# Altium PCB 2-quilter-output.PcbDoc (part 17 of 26) (continued)
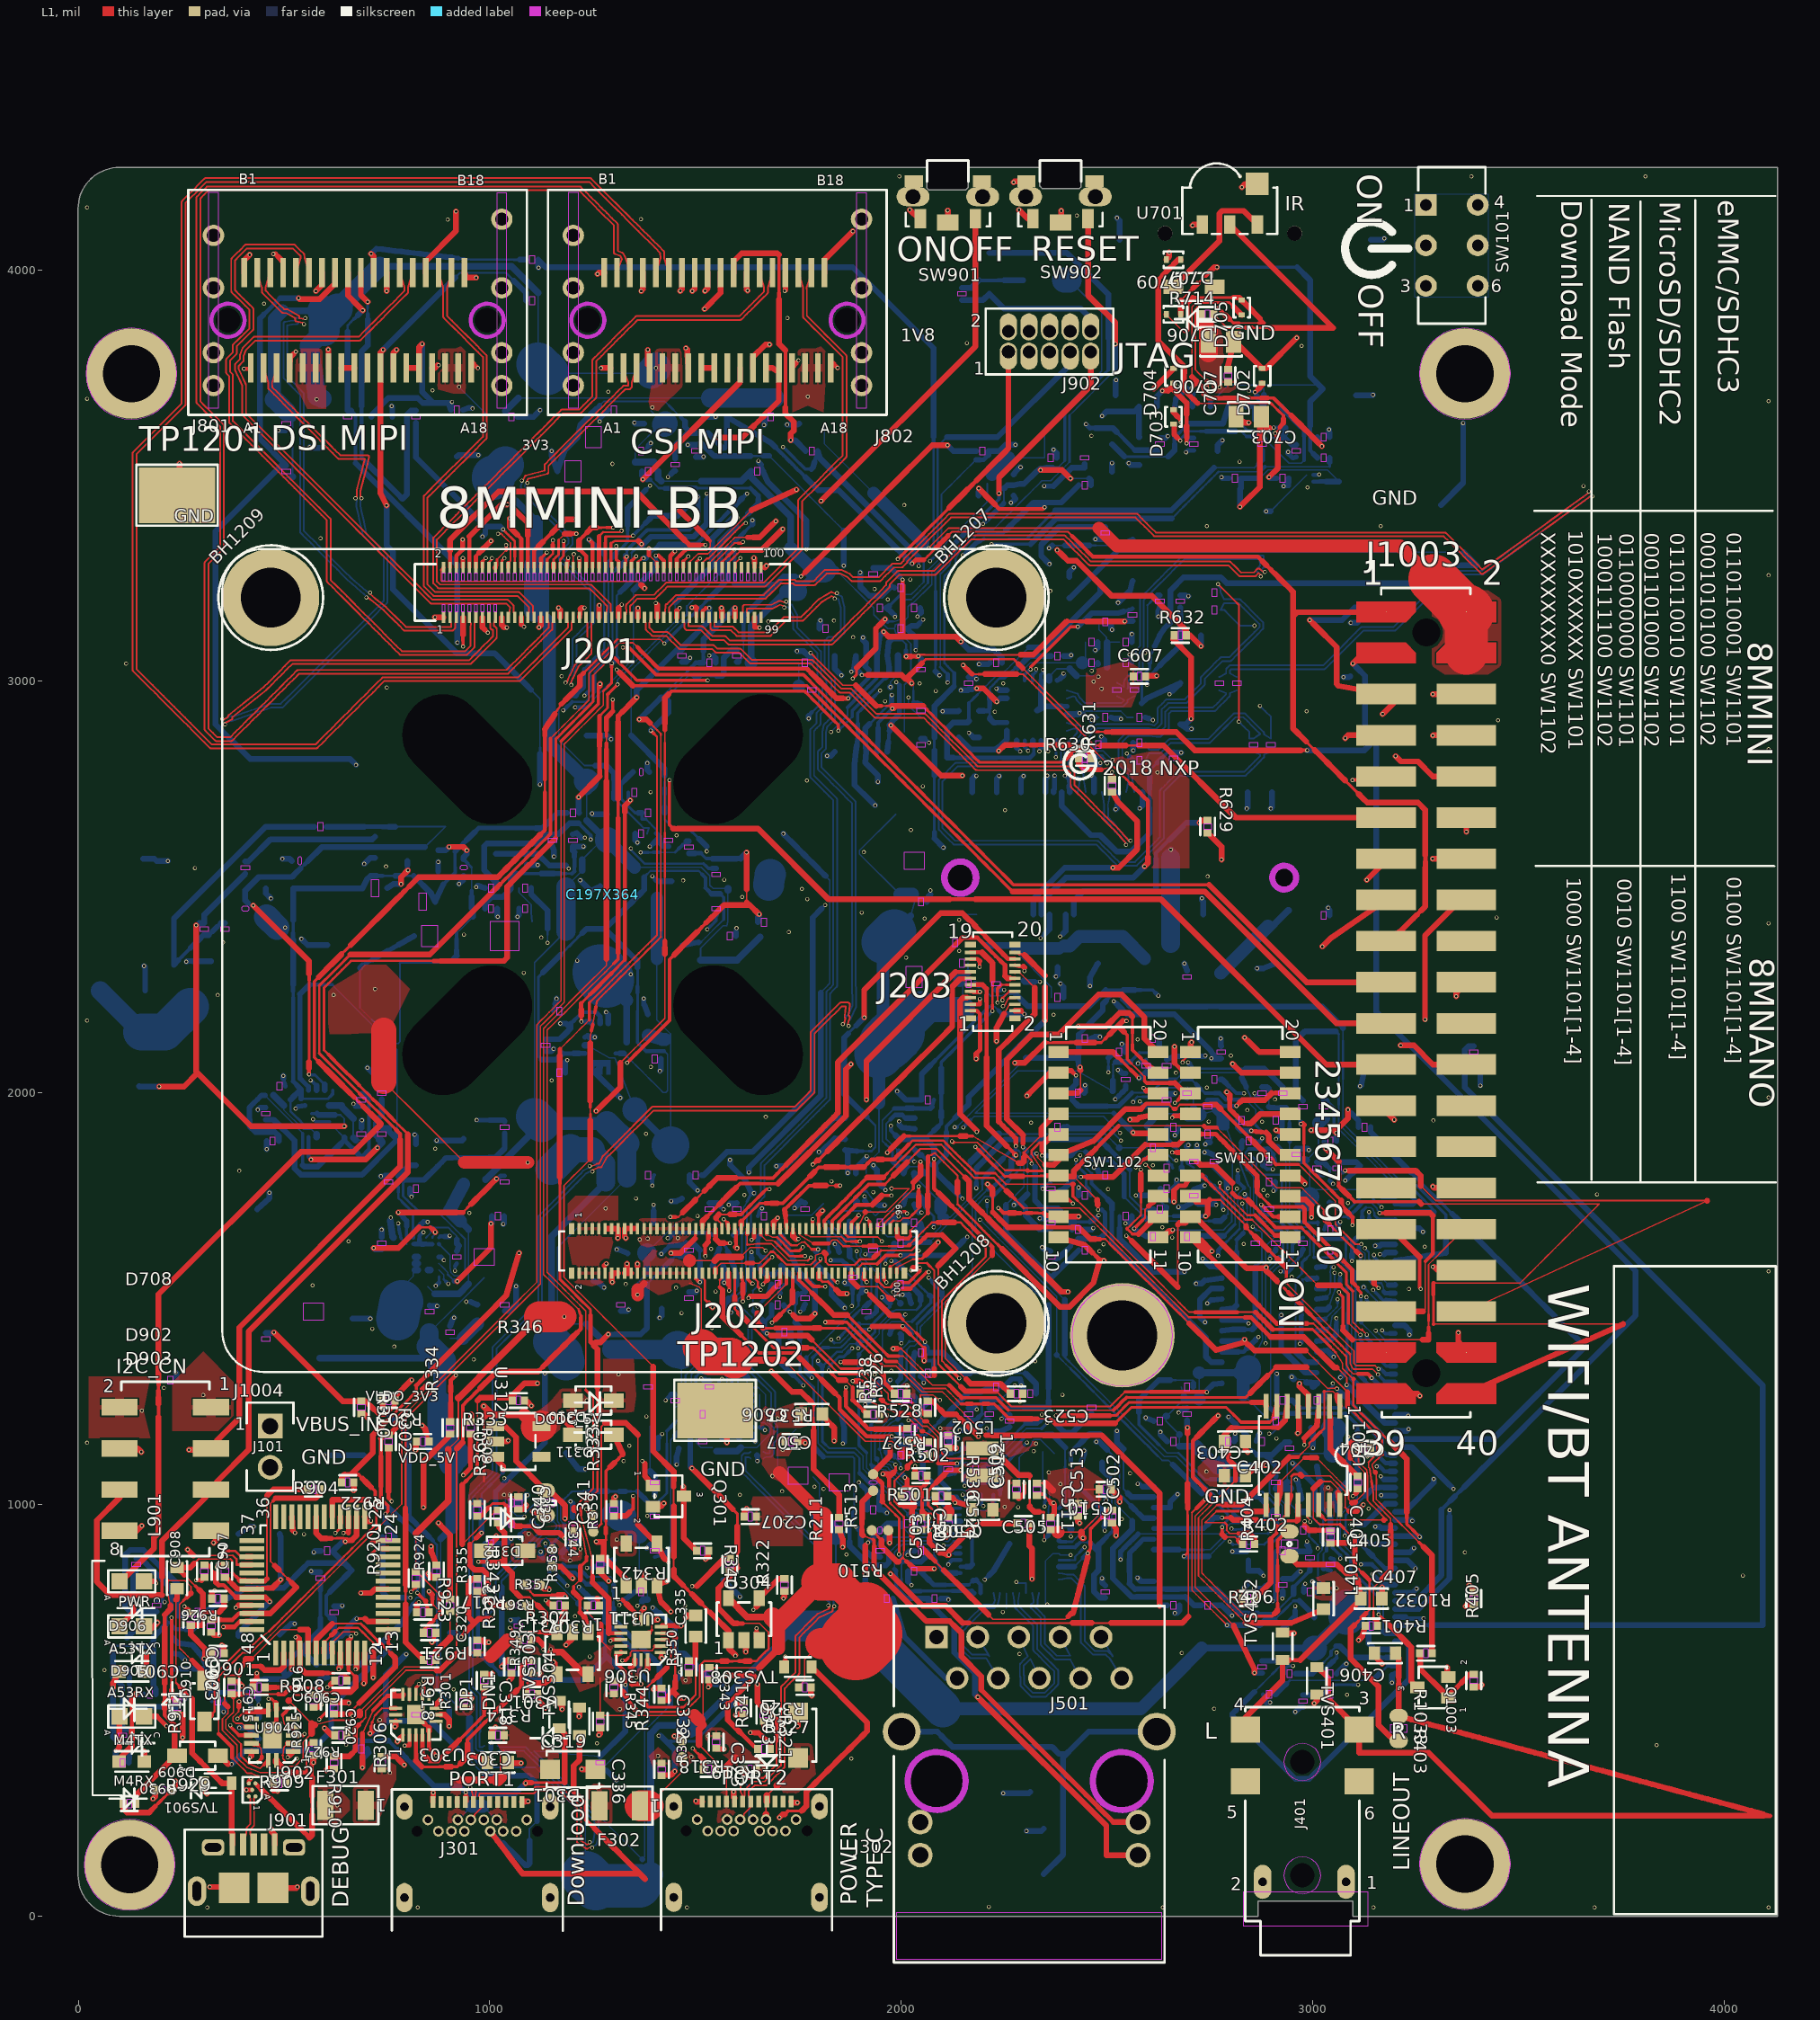
[diagram p0: L1 view]
## Nets (pads, with @x,y where several pads share a name; then routed paths per layer and width w, separated by ;. In a path a pad name is that pad's centre, name@x,y a point inside that pad or via, vN(x,y) a via of type N, cw(c..) or ccw(c..) an arc to the next point about the centre after c; other vN are vias at no path point) (continued)
  L8 w4.28: C616.1@2773.58,3010.13 2790.16,3019.13 2790.16,3028.13 2790.16,3028.24 2790.17,3028.36 2790.18,3028.48 2790.19,3028.6 2790.2,3028.72 2790.22,3028.84 2790.24,3028.97 2790.26,3029.09 2790.29,3029.2 2790.32,3029.32 2790.35,3029.44 2790.39,3029.56 2790.43,3029.67 2790.47,3029.79 2790.51,3029.9 2790.56,3030.01 2790.61,3030.12 2790.67,3030.23 2790.72,3030.34 2790.78,3030.45 2790.84,3030.55 2790.91,3030.65 2790.98,3030.76 2791.05,3030.86 2791.12,3030.95 2791.2,3031.05 2791.27,3031.14 2791.35,3031.23 2791.44,3031.32 2791.52,3031.41 2797.55,3037.44 2797.63,3037.52 2797.72,3037.6 2797.81,3037.68 2797.9,3037.76 2798,3037.84 2798.1,3037.91 2798.2,3037.98 2798.3,3038.05 2798.4,3038.11 2798.51,3038.17 2798.61,3038.23 2798.72,3038.29 2798.83,3038.35 2798.94,3038.4 2799.05,3038.45 2799.16,3038.49 2799.28,3038.53 2799.39,3038.57 2799.51,3038.61 2799.63,3038.64 2799.75,3038.67 2799.87,3038.7 2799.99,3038.72 2800.11,3038.74 2800.23,3038.76 2800.35,3038.78 2800.47,3038.79 2800.59,3038.79 2800.71,3038.8 2800.83,3038.8 2819.6,3038.8 2838.37,3038.8 2857.14,3038.8 2875.9,3038.8 2894.67,3038.8 2913.44,3038.8 2932.21,3038.8 2950.98,3038.8 2969.74,3038.8 2988.51,3038.8 3007.28,3038.8 3026.05,3038.8 3039.21,3051.97 3052.38,3065.14 3065.55,3078.3 3078.72,3091.47 3091.88,3104.64 3105.05,3117.8 3118.22,3130.97 3118.29,3131.05 3118.38,3131.13 3118.47,3131.21 3118.57,3131.29 3118.66,3131.36 3118.76,3131.44 3118.86,3131.51 3118.96,3131.58 3119.07,3131.64 3119.17,3131.7 3119.28,3131.76 3119.38,3131.82 3119.49,3131.87 3119.6,3131.93 3119.72,3131.97 3119.83,3132.02 3119.94,3132.06 3120.06,3132.1 3120.18,3132.14 3120.29,3132.17 3120.41,3132.2 3120.53,3132.23 3120.65,3132.25 3120.77,3132.27 3120.89,3132.29 3121.01,3132.31 3121.13,3132.32 3121.25,3132.32 3121.38,3132.33 3121.5,3132.33 3140.48,3132.33 3159.46,3132.33 3178.45,3132.33 3197.43,3132.33 3210.91,3145.81 3224.39,3159.29 3237.87,3172.77 3251.35,3186.25 3264.83,3199.73 3278.31,3213.21 3291.79,3226.69 3305.27,3240.17 3318.75,3253.65 3332.23,3267.13 3332.31,3267.21 3332.4,3267.29 3332.49,3267.37 3332.58,3267.45 3332.68,3267.52 3332.78,3267.6 3332.88,3267.67 3332.98,3267.74 3333.08,3267.8 3333.18,3267.86 3333.29,3267.92 3333.4,3267.98 3333.51,3268.03 3333.62,3268.09 3333.73,3268.13 3333.84,3268.18 3333.96,3268.22 3334.07,3268.26 3334.19,3268.3 3334.31,3268.33 3334.43,3268.36 3334.54,3268.39 3334.66,3268.41 3334.78,3268.43 3334.91,3268.45 3335.03,3268.46 3335.15,3268.48 3335.27,3268.48 3335.39,3268.49 3335.51,3268.49 3350.78,3268.49 3366.05,3268.49 3381.32,3268.49 3396.59,3268.49 3411.86,3268.49 3427.18,3279.68 3442.5,3290.87 3457.82,3302.05 3473.14,3313.24 3488.46,3324.43 3503.78,3335.62 3519.11,3346.8 3534.43,3357.99 3549.75,3369.18 3565.07,3380.37 3580.39,3391.55 3595.71,3402.74 3611.03,3413.93 3626.36,3425.12 3641.68,3436.3 3657,3447.49 3657.07,3447.56 3657.16,3447.64 3657.25,3447.72 3657.34,3447.8 3657.44,3447.88 3657.54,3447.95 3665.47,3453.71 3673.4,3459.47 v1(3671.77,3461.73)
PCIE_TX_P: C615.1 J201.71 | length 3562.9
  L1 w4.28: J201.71@1438.98,3155.16 1435.73,3168.91 1436.35,3179.88 1436.41,3179.93 1436.5,3180.01 1436.59,3180.09 1436.66,3180.17 1446.87,3190.38 1457.08,3200.58 1474.69,3200.58 1492.31,3200.58 1509.93,3200.58 1527.55,3200.58 1545.16,3200.58 1562.78,3200.58 1580.4,3200.58 1598.02,3200.58 1615.63,3200.58 1633.25,3200.58 1650.87,3200.58 1668.48,3200.58 1668.61,3200.58 1668.73,3200.59 1668.85,3200.6 1668.97,3200.61 1669.09,3200.62 1669.21,3200.64 1669.33,3200.66 1669.45,3200.68 1669.57,3200.71 1669.69,3200.74 1669.81,3200.77 1669.92,3200.81 1670.04,3200.85 1670.15,3200.89 1670.27,3200.94 1670.38,3200.99 1670.49,3201.04 1670.6,3201.09 1670.71,3201.15 1670.81,3201.21 1670.92,3201.27 1671.02,3201.34 1671.12,3201.4 1671.22,3201.48 1671.32,3201.55 1671.41,3201.62 1671.51,3201.7 1671.6,3201.78 1671.69,3201.87 1671.77,3201.94 1683.63,3213.81 1695.5,3225.68 1707.37,3237.55 1722.52,3237.55 1737.67,3237.55 1739.9,3235.32 1739.99,3235.24 1740.08,3235.15 1740.17,3235.07 1740.26,3234.99 1740.36,3234.92 1740.46,3234.85 1740.56,3234.78 1740.66,3234.71 1740.76,3234.64 1740.87,3234.58 1740.97,3234.52 1741.08,3234.46 1741.19,3234.41 1741.3,3234.36 1741.41,3234.31 1741.53,3234.27 1741.64,3234.22 1741.76,3234.19 1741.87,3234.15 1741.99,3234.12 1742.11,3234.09 1742.23,3234.06 1742.35,3234.04 1742.47,3234.02 1742.59,3234 1742.71,3233.99 1742.83,3233.97 1742.95,3233.97 1743.08,3233.96 1743.18,3233.96 1758.44,3233.96 1773.7,3233.96 1788.96,3233.96 1789.08,3233.96 1789.21,3233.97 1789.33,3233.98 1789.45,3233.99 1789.57,3234 1789.69,3234.02 1789.81,3234.04 1789.93,3234.06 1790.05,3234.09 1790.17,3234.12 1790.29,3234.15 1790.4,3234.19 1790.52,3234.23 1790.63,3234.27 1790.74,3234.32 1790.86,3234.37 1790.97,3234.42 1791.08,3234.47 1791.18,3234.53 1791.29,3234.59 1791.4,3234.65 1791.5,3234.72 1791.6,3234.78 1791.7,3234.85 1791.8,3234.93 1791.89,3235 1791.99,3235.08 1792.08,3235.16 1792.17,3235.25 1792.24,3235.32 1805.47,3248.55 1818.7,3261.78 1835.53,3261.78 1852.36,3261.78 1861.02,3257.6 1869.68,3253.42 1878.29,3244.81 1878.38,3244.72 1878.47,3244.64 1878.56,3244.56 1878.65,3244.48 1878.75,3244.41 1878.85,3244.33 1878.95,3244.26 1879.05,3244.19 1879.15,3244.13 1879.26,3244.07 1879.36,3244.01 1879.47,3243.95 1879.58,3243.9 1879.69,3243.85 1879.8,3243.8 1879.92,3243.75 1880.03,3243.71 1880.15,3243.67 1880.26,3243.64 1880.38,3243.6 1880.5,3243.57 1880.62,3243.55 1880.74,3243.52 1880.86,3243.5 1880.98,3243.49 1881.1,3243.47 1881.22,3243.46 1881.34,3243.45 1881.46,3243.45 1881.57,3243.45 1898.07,3243.45 1914.56,3243.45 1931.05,3243.45 1947.55,3243.45 1947.67,3243.45 1947.79,3243.45 1947.91,3243.46 1948.03,3243.47 1948.15,3243.49 1948.28,3243.51 1948.4,3243.53 1948.52,3243.55 1948.63,3243.58 1948.75,3243.61 1948.87,3243.64 1948.99,3243.68 1949.1,3243.72 1949.22,3243.76 1949.33,3243.8 1949.44,3243.85 1949.55,3243.9 1949.66,3243.96 1949.77,3244.01 1949.87,3244.07 1949.98,3244.14 1950.08,3244.2 1950.18,3244.27 1950.28,3244.34 1950.38,3244.41 1950.48,3244.49 1950.57,3244.57 1950.66,3244.65 1950.75,3244.73 1950.83,3244.81 1961.42,3255.4 1972.01,3265.99 1982.6,3276.58 2000.87,3276.58 2000.99,3276.59 2001.12,3276.59 2001.24,3276.6 2001.36,3276.61 2001.48,3276.62 2001.6,3276.64 2001.72,3276.66 2001.84,3276.69 2001.96,3276.71 2002.08,3276.74 2002.19,3276.78 2002.31,3276.81 2002.43,3276.85 2002.54,3276.89 2002.65,3276.94 2002.77,3276.99 2002.88,3277.04 2002.99,3277.09 2003.09,3277.15 2003.2,3277.21 2003.3,3277.27 2003.41,3277.34 2003.51,3277.41 2003.61,3277.48 2003.71,3277.55 2003.8,3277.63 2003.9,3277.7 2003.99,3277.78 2004.08,3277.87 2004.15,3277.94 2013.84,3287.63 2013.92,3287.71 2014,3287.8 2014.08,3287.89 2014.16,3287.99 2014.24,3288.08 2014.31,3288.18 2014.38,3288.28 2014.45,3288.38 2014.51,3288.49 2014.58,3288.59 2014.63,3288.7 2014.69,3288.81 2014.75,3288.92 2014.8,3289.03 2014.84,3289.14 2014.89,3289.25 2014.93,3289.37 2014.97,3289.48 2015.01,3289.6 2015.04,3289.72 2015.07,3289.83 2015.1,3289.95 2015.12,3290.07 2015.14,3290.19 2015.16,3290.31 2015.17,3290.43 2015.18,3290.56 2015.19,3290.68 2015.19,3290.8 2015.19,3290.91 2015.19,3291.8 2028.49,3305.1 2041.79,3318.4 2055.09,3331.69 2068.38,3344.99 2081.68,3358.29 2094.98,3371.59 2108.28,3384.88 2121.57,3398.18 2140.25,3398.18 2158.92,3398.18 2177.59,3398.18 2196.26,3398.18 2214.94,3398.18 2233.61,3398.18 2252.28,3398.18 2270.96,3398.18 2289.63,3398.18 2308.3,3398.18 2326.98,3398.18 2345.65,3398.18 2364.32,3398.18 2382.99,3398.18 2401.67,3398.18 2420.34,3398.18 2439.01,3398.18 2457.69,3398.18 2476.36,3398.18 2495.03,3398.18 2513.71,3398.18 2532.38,3398.18 2551.05,3398.18 2569.72,3398.18 2580.83,3387.07 2591.94,3375.96 2603.05,3364.86 2614.16,3353.75 2614.25,3353.66 2614.34,3353.58 2614.43,3353.5 2614.52,3353.42 2614.62,3353.35 2614.72,3353.27 2614.82,3353.2 2614.92,3353.13 2615.02,3353.07 2615.12,3353.01 2615.23,3352.95 2615.34,3352.89 2615.45,3352.84 2615.56,3352.79 2615.67,3352.74 2615.78,3352.69 2615.9,3352.65 2616.01,3352.61 2616.13,3352.58 2616.25,3352.54 2616.37,3352.51 2616.49,3352.49 2616.61,3352.46 2616.73,3352.44 2616.85,3352.43 2616.97,3352.41 2617.09,3352.4 2617.21,3352.39 2617.33,3352.39 2617.44,3352.39 2636.4,3352.39 2655.37,3352.39 2674.33,3352.39 2693.3,3352.39 2712.26,3352.39 2731.22,3352.39 2750.19,3352.39 2769.15,3352.39 2788.12,3352.39 2807.08,3352.39 2826.04,3352.39 2845.01,3352.39 2863.97,3352.39 2882.94,3352.39 2901.9,3352.39 2920.86,3352.39 2939.83,3352.39 2958.79,3352.39 2977.76,3352.39 2996.72,3352.39 3015.68,3352.39 3034.65,3352.39 3053.61,3352.39 3072.58,3352.39 3091.54,3352.39 3110.5,3352.39 3129.47,3352.39 3148.43,3352.39 3167.4,3352.39 3186.36,3352.39 3205.32,3352.39 3224.29,3352.39 3243.25,3352.39 3262.22,3352.39 3281.18,3352.39 3300.14,3352.39 3319.11,3352.39 3332,3339.5 3344.89,3326.61 3357.78,3313.72 3370.67,3300.83 3383.56,3287.94 3396.45,3275.05 3409.33,3262.16 3409.42,3262.08 3409.51,3261.99 3409.6,3261.91 3409.7,3261.83 3409.79,3261.76 3409.89,3261.69 3409.99,3261.62 3410.09,3261.55 3410.2,3261.48 3410.3,3261.42 3410.41,3261.36 3410.51,3261.3 3410.62,3261.25 3410.73,3261.2 3410.85,3261.15 3410.96,3261.11 3411.07,3261.06 3411.19,3261.03 3411.31,3260.99 3411.42,3260.96 3411.54,3260.93 3411.66,3260.9 3411.78,3260.88 3411.9,3260.86 3412.02,3260.84 3412.14,3260.83 3412.26,3260.81 3412.39,3260.81 3412.51,3260.8 3412.63,3260.8 3412.75,3260.8 3412.87,3260.81 3413,3260.82 3413.12,3260.83 3413.24,3260.84 3413.36,3260.86 3413.48,3260.88 3413.6,3260.91 3413.72,3260.93 3413.84,3260.96 3413.95,3261 3414.07,3261.03 3414.18,3261.07 3414.3,3261.12 3414.41,3261.16 3414.52,3261.21 3414.63,3261.26 3414.74,3261.32 3414.85,3261.38 3414.96,3261.44 3415.06,3261.5 3415.16,3261.56 3415.27,3261.63 3415.33,3261.68 3430.77,3272.83 3446.21,3283.98 3461.65,3295.13 3477.1,3306.28 3492.54,3317.43 3507.98,3328.58 3523.42,3339.73 3538.86,3350.88 3554.3,3362.02 3569.74,3373.17 3585.18,3384.32 3600.62,3395.47 3616.06,3406.62 3631.51,3417.77 3646.95,3428.92 3662.39,3440.07 ; 3662.4,3440.08 3662.51,3440.13 3662.61,3440.2 3662.72,3440.26 3662.82,3440.32 3662.92,3440.39 3662.99,3440.44 3670.92,3446.2 3678.86,3451.96 v1(3680.49,3449.71)
  L8 w4.28: C615.1@2816.03,3010.13 2799.44,3019.13 2799.44,3026.21 2802.76,3029.52 2821.52,3029.52 2840.29,3029.52 2859.06,3029.52 2877.83,3029.52 2896.59,3029.52 2915.36,3029.52 2934.13,3029.52 2952.9,3029.52 2971.67,3029.52 2990.43,3029.52 3009.2,3029.52 3027.97,3029.52 3028.09,3029.52 3028.21,3029.53 3028.33,3029.54 3028.46,3029.55 3028.58,3029.56 3028.7,3029.58 3028.82,3029.6 3028.94,3029.62 3029.06,3029.65 3029.17,3029.68 3029.29,3029.71 3029.41,3029.75 3029.52,3029.79 3029.64,3029.83 3029.75,3029.88 3029.86,3029.93 3029.97,3029.98 3030.08,3030.03 3030.19,3030.09 3030.3,3030.15 3030.4,3030.21 3030.51,3030.28 3030.61,3030.34 3030.71,3030.41 3030.8,3030.49 3030.9,3030.56 3030.99,3030.64 3031.08,3030.72 3031.17,3030.81 3031.25,3030.88 3044.42,3044.05 3057.58,3057.21 3070.75,3070.38 3083.92,3083.55 3097.09,3096.72 3110.25,3109.88 3123.42,3123.05 3142.4,3123.05 3161.39,3123.05 3180.37,3123.05 3199.35,3123.05 3199.48,3123.05 3199.6,3123.06 3199.72,3123.07 3199.84,3123.08 3199.96,3123.09 3200.08,3123.11 3200.2,3123.13 3200.32,3123.15 3200.44,3123.18 3200.56,3123.21 3200.68,3123.24 3200.79,3123.28 3200.91,3123.32 3201.02,3123.36 3201.14,3123.41 3201.25,3123.45 3201.36,3123.51 3201.47,3123.56 3201.58,3123.62 3201.68,3123.68 3201.79,3123.74 3201.89,3123.81 3201.99,3123.87 3202.09,3123.94 3202.19,3124.02 3202.28,3124.09 3202.38,3124.17 3202.47,3124.25 3202.56,3124.33 3202.63,3124.41 3216.11,3137.89 3229.59,3151.37 3243.07,3164.85 3256.55,3178.33 3270.03,3191.81 3283.51,3205.29 3296.99,3218.77 3310.47,3232.25 3323.95,3245.73 3337.43,3259.21 3356.42,3259.21 3375.4,3259.21 3394.39,3259.21 3413.37,3259.21 3413.49,3259.21 3413.61,3259.22 3413.73,3259.22 3413.86,3259.24 3413.98,3259.25 3414.1,3259.27 3414.22,3259.29 3414.34,3259.31 3414.46,3259.34 3414.57,3259.37 3414.69,3259.4 3414.81,3259.44 3414.92,3259.48 3415.04,3259.52 3415.15,3259.57 3415.26,3259.61 3415.37,3259.67 3415.48,3259.72 3415.59,3259.78 3415.7,3259.84 3415.8,3259.9 3415.9,3259.96 3416.01,3260.03 3416.1,3260.1 3430.63,3270.71 3445.15,3281.32 3459.68,3291.92 3474.2,3302.53 3488.73,3313.13 3503.26,3323.74 3517.78,3334.35 3532.31,3344.95 3546.83,3355.56 3561.36,3366.16 3575.88,3376.77 3590.41,3387.38 3604.93,3397.98 3619.46,3408.59 3633.98,3419.19 3648.51,3429.8 3663.03,3440.41 3663.13,3440.48 3663.22,3440.56 3663.32,3440.63 3663.41,3440.71 3663.5,3440.8 3663.55,3440.85 3678.86,3451.96 v1(3680.49,3449.71)
PCIE_TXC_N: C616.2 J601.37 | length 486.6
  L8 w4.28: J601.37@2547.47,2730.52 2550.06,2745.77 2552.66,2761.01 2552.63,2772.65 2541.28,2784 2529.93,2795.35 2529.86,2795.42 2529.78,2795.51 2529.7,2795.6 2529.62,2795.7 2529.54,2795.79 2529.47,2795.89 2529.4,2795.99 2529.33,2796.09 2529.26,2796.19 2529.2,2796.3 2529.14,2796.4 2529.09,2796.51 2529.03,2796.62 2528.98,2796.73 2528.93,2796.84 2528.89,2796.96 2528.84,2797.07 2528.8,2797.19 2528.77,2797.3 2528.73,2797.42 2528.7,2797.54 2528.68,2797.66 2528.65,2797.78 2528.63,2797.9 2528.62,2798.02 2528.6,2798.14 2528.59,2798.26 2528.58,2798.38 2528.58,2798.5 2528.58,2798.63 2528.58,2817.27 2528.58,2835.92 2528.58,2854.56 2528.58,2854.67 2528.58,2854.79 2528.59,2854.92 2528.6,2855.04 2528.61,2855.16 2528.63,2855.28 2528.65,2855.4 2528.67,2855.52 2528.7,2855.64 2528.73,2855.76 2528.76,2855.87 2528.8,2855.99 2528.84,2856.11 2528.88,2856.22 2528.93,2856.33 2528.97,2856.45 2529.02,2856.56 2529.08,2856.67 2529.14,2856.77 2529.19,2856.88 2529.26,2856.99 2529.32,2857.09 2529.39,2857.19 2529.46,2857.29 2529.53,2857.39 2529.61,2857.48 2529.69,2857.58 2529.77,2857.67 2529.85,2857.76 2529.93,2857.85 2538.65,2866.56 2547.37,2875.28 2547.45,2875.36 2547.54,2875.44 2547.63,2875.52 2547.72,2875.6 2547.82,2875.68 2547.92,2875.75 2548.02,2875.82 2548.12,2875.89 2548.22,2875.95 2548.32,2876.02 2548.43,2876.08 2548.54,2876.13 2548.65,2876.19 2548.76,2876.24 2548.87,2876.29 2548.98,2876.33 2549.1,2876.37 2549.21,2876.41 2549.33,2876.45 2549.45,2876.48 2549.57,2876.51 2549.68,2876.54 2549.8,2876.56 2549.92,2876.58 2550.05,2876.6 2550.17,2876.62 2550.29,2876.63 2550.41,2876.64 2550.53,2876.64 2550.65,2876.64 2568.07,2876.64 2585.49,2876.64 2602.91,2876.64 2603.02,2876.64 2603.14,2876.64 2603.26,2876.63 2603.38,2876.62 2603.5,2876.6 2621.24,2874.34 2627.01,2874.34 2634.49,2881.81 2641.97,2889.29 2641.97,2906.44 2641.97,2923.6 2641.97,2923.71 2641.97,2923.83 2641.98,2923.95 2641.99,2924.07 2642,2924.19 2642.02,2924.31 2642.04,2924.43 2642.07,2924.55 2642.09,2924.67 2642.12,2924.79 2642.15,2924.91 2642.19,2925.02 2642.23,2925.14 2642.27,2925.25 2642.32,2925.37 2642.36,2925.48 2642.42,2925.59 2642.47,2925.7 2642.53,2925.81 2642.59,2925.91 2642.65,2926.02 2642.71,2926.12 2642.78,2926.22 2642.85,2926.32 2642.92,2926.42 2643,2926.52 2643.08,2926.61 2643.16,2926.7 2643.24,2926.79 2643.33,2926.88 2651.53,2935.09 2651.61,2935.16 2651.7,2935.25 2651.79,2935.33 2651.88,2935.4 2651.98,2935.48 2652.08,2935.55 2652.18,2935.62 2652.28,2935.69 2652.38,2935.76 2652.49,2935.82 2652.59,2935.88 2652.7,2935.94 2652.81,2935.99 2652.92,2936.04 2653.03,2936.09 2653.15,2936.14 2653.26,2936.18 2653.38,2936.22 2653.49,2936.25 2653.61,2936.29 2653.73,2936.32 2653.85,2936.34 2653.97,2936.37 2654.09,2936.39 2654.21,2936.41 2654.33,2936.42 2654.45,2936.43 2654.57,2936.44 2654.69,2936.45 2654.81,2936.45 2672.09,2936.45 2689.36,2936.45 2706.63,2936.45 2723.91,2936.45 2741.18,2936.45 2758.45,2936.45 2769.02,2947.02 2779.59,2957.59 2790.16,2968.16 2790.16,2971.61 C616.2@2773.58,2977.61
PCIE_TXC_P: C615.2 J601.35 | length 486.6
  L8 w4.28: J601.35@2567.15,2730.53 2564.54,2745.78 2561.94,2761.04 2561.9,2774.6 2561.9,2774.72 2561.89,2774.84 2561.88,2774.96 2561.87,2775.08 2561.86,2775.2 2561.84,2775.32 2561.82,2775.44 2561.79,2775.56 2561.77,2775.68 2561.74,2775.8 2561.7,2775.92 2561.67,2776.03 2561.63,2776.15 2561.58,2776.26 2561.54,2776.38 2561.49,2776.49 2561.44,2776.6 2561.38,2776.71 2561.33,2776.82 2561.27,2776.92 2561.2,2777.03 2561.14,2777.13 2561.07,2777.23 2561,2777.33 2560.92,2777.43 2560.85,2777.52 2560.77,2777.62 2560.69,2777.71 2560.61,2777.8 2560.54,2777.86 2549.2,2789.21 2537.86,2800.55 2537.86,2817.91 2537.86,2835.28 2537.86,2852.64 2545.22,2860 2552.58,2867.36 2569.26,2867.36 2585.94,2867.36 2602.62,2867.36 2620.36,2865.09 2620.48,2865.08 2620.6,2865.07 2620.72,2865.06 2620.84,2865.06 2620.95,2865.06 2628.94,2865.06 2629.06,2865.06 2629.18,2865.06 2629.3,2865.07 2629.42,2865.08 2629.54,2865.1 2629.67,2865.11 2629.79,2865.13 2629.91,2865.16 2630.02,2865.19 2630.14,2865.22 2630.26,2865.25 2630.38,2865.28 2630.49,2865.32 2630.61,2865.37 2630.72,2865.41 2630.83,2865.46 2630.94,2865.51 2631.05,2865.57 2631.16,2865.62 2631.27,2865.68 2631.37,2865.75 2631.47,2865.81 2631.57,2865.88 2631.67,2865.95 2631.77,2866.02 2631.87,2866.1 2631.96,2866.18 2632.05,2866.26 2632.14,2866.34 2632.22,2866.41 2641.05,2875.25 2649.89,2884.08 2649.97,2884.17 2650.05,2884.26 2650.14,2884.35 2650.21,2884.45 2650.29,2884.54 2650.36,2884.64 2650.43,2884.74 2650.5,2884.84 2650.56,2884.94 2650.63,2885.05 2650.69,2885.16 2650.74,2885.26 2650.8,2885.37 2650.85,2885.48 2650.9,2885.6 2650.94,2885.71 2650.98,2885.82 2651.02,2885.94 2651.06,2886.06 2651.09,2886.17 2651.12,2886.29 2651.15,2886.41 2651.17,2886.53 2651.19,2886.65 2651.21,2886.77 2651.22,2886.89 2651.23,2887.01 2651.24,2887.14 2651.24,2887.26 2651.25,2887.37 2651.25,2904.52 2651.25,2921.68 2656.74,2927.17 2674.01,2927.17 2691.28,2927.17 2708.56,2927.17 2725.83,2927.17 2743.1,2927.17 2760.37,2927.17 2760.5,2927.17 2760.62,2927.17 2760.74,2927.18 2760.86,2927.19 2760.98,2927.21 2761.1,2927.22 2761.22,2927.24 2761.34,2927.27 2761.46,2927.3 2761.58,2927.33 2761.7,2927.36 2761.81,2927.4 2761.93,2927.43 2762.04,2927.48 2762.16,2927.52 2762.27,2927.57 2762.38,2927.62 2762.49,2927.68 2762.6,2927.73 2762.7,2927.79 2762.81,2927.86 2762.91,2927.92 2763.01,2927.99 2763.11,2928.06 2763.21,2928.13 2763.3,2928.21 2763.4,2928.29 2763.49,2928.37 2763.58,2928.45 2763.66,2928.53 2775.13,2940 2786.61,2951.48 2798.08,2962.96 2798.17,2963.04 2798.25,2963.13 2798.33,2963.22 2798.41,2963.32 2798.49,2963.41 2798.56,2963.51 2798.63,2963.61 2798.7,2963.71 2798.76,2963.82 2798.82,2963.92 2798.88,2964.03 2798.94,2964.14 2798.99,2964.24 2799.04,2964.36 2799.09,2964.47 2799.14,2964.58 2799.18,2964.7 2799.22,2964.81 2799.25,2964.93 2799.29,2965.04 2799.32,2965.16 2799.34,2965.28 2799.37,2965.4 2799.39,2965.52 2799.41,2965.64 2799.42,2965.76 2799.43,2965.89 2799.44,2966.01 2799.44,2966.13 2799.44,2966.24 2799.44,2971.61 C615.2@2816.02,2977.61
PD1_I2C_SCL: R302.2 U303.8 | length 710.7
  L1 w9.96: 754.41,1030.36 754.41,1015 v1(762.13,1007.28) ; U303.8@869.97,504.29 869.98,514.41
  L1 w14.05: 754.41,1030.36 754.41,1045.71 754.41,1061.07 754.41,1076.43 754.41,1091.78 754.41,1107.14 754.41,1122.5 R302.2@754.41,1137.85 ; 869.98,514.41 v1(879.77,524.19)
  L3 w14.05: v1(762.13,1007.28) 777.86,991.54 777.86,590 843.66,524.2 v1(879.77,524.19)
PD1_I2C_SDA: R303.2 U303.7 | length 912.9
  L1 w9.96: v1(738.71,1232.72) v1@738.71,1235.61 ; U303.7@869.97,488.54 U303.7@880.2,488.52
  L1 w14.05: v1@738.71,1235.61 739.65,1236.55 R303.2@739.65,1252.21 ; U303.7@880.2,488.52 890.42,488.52 901.53,477.42 v1(901.53,460.34)
  L8 w3.83: 871.79,548.1 881.7,538.19 891.62,528.28 901.53,518.36 901.53,503.86
  L8 w4.85: 871.79,655.68 871.79,671.04
  L8 w5.87: 861.97,911.37 871.79,901.54 871.79,886.18 871.79,870.81 871.79,855.44 871.79,840.08 871.79,824.71 871.79,809.34 871.79,793.98 871.79,778.61 871.79,763.24 871.79,747.88 871.79,732.51 871.79,717.14 871.79,701.78 871.79,686.41 871.79,671.04 ; 871.79,548.11 871.79,563.48 871.79,578.84 871.79,594.21 871.79,609.58 871.79,624.94 871.79,640.31 871.79,655.68
  L8 w9.96: 852.15,921.19 861.97,911.37
  L8 w12.01: 822.68,950.65 832.51,940.83 842.33,931.01
  L8 w13.03: 812.86,960.47 822.68,950.65
  L8 w14.05: v1(738.71,1232.72) 803.04,1168.39 803.04,970.3 812.86,960.47 ; 842.33,931.01 852.15,921.19 ; v1(901.53,460.34) 901.53,474.85 901.53,489.35 901.53,503.86
PD2_I2C_SCL: R309.2 U306.8 | length 711.4
  L1 w6.9: v1@1312.62,768.23 1322.3,768.23
  L1 w7.92: v1(1312.39,768.47) v1@1312.62,768.23
  L1 w9.96: 1322.3,768.23 1332.34,758.19
  L1 w10.99: v1(935.86,1070.78) 944.66,1079.58 953.46,1088.38 953.46,1102.16 ; 1342.38,748.15 1352.42,738.11 1352.42,729.24 U306.8@1352.44,720.36
  L1 w13.03: 953.46,1143.49 953.46,1157.27
  L1 w14.05: 953.46,1102.16 953.46,1115.93 953.46,1129.71 953.46,1143.49 ; 953.46,1157.27 R309.2@953.47,1171.04 ; 1332.34,758.19 1342.38,748.15
  L3 w3.5: 1035.48,917.04 1046.17,906.36 1056.86,895.67 1067.54,884.98 1078.23,874.3 1088.91,863.61 1099.6,852.93 1110.29,842.24 1120.97,831.56 1131.66,820.87 1142.34,810.18 1153.03,799.5 1163.71,788.81 ; 1185.93,788.81 1196.1,778.64 1206.27,768.47
  L3 w4.85: 1206.27,768.47 1221.43,768.47
  L3 w7.92: v1(935.86,1070.78) 946.93,1059.71 ; 1174.82,788.81 1185.93,788.81 ; 1236.59,768.47 1251.75,768.47 1266.91,768.47 1282.07,768.47 1297.23,768.47 v1(1312.39,768.47)
  L3 w13.03: 1163.71,788.81 1174.82,788.81
  L3 w14.05: 946.93,1059.71 958,1048.64 969.07,1037.57 980.13,1026.51 991.2,1015.44 1002.27,1004.37 1013.34,993.3 1024.41,982.23 1034.78,971.86 1034.78,917.74 1035.48,917.04 ; 1221.43,768.47 1236.59,768.47
PD2_I2C_SDA: R310.2 U306.7 | length 1016.1
  L1 w9.96: U306.7@1368.19,720.36 1368.19,729.92 1368.19,739.47 v1@1375.77,747.05
  L1 w14.05: R310.2@688.05,1220.85 693.82,1220.85 v1(706.29,1208.37) ; v1@1375.77,747.05 v1(1375.77,748.14)
  L3 w3.5: 866.01,948.12 876.83,937.3 887.66,926.47 898.49,915.64 909.31,904.81 920.14,893.99 930.97,883.16 941.79,872.33 952.62,861.51 963.45,850.68 974.28,839.85 985.1,829.03 995.93,818.2 1006.76,807.37 1017.58,796.54 1028.41,785.72 1039.24,774.89 1050.07,764.06 1060.89,753.24 1071.72,742.41 1082.55,731.58 1093.37,720.76 1105.84,720.76 1118.3,720.76 1130.77,720.76 1143.23,720.76 1151.32,712.67 1159.41,704.58 1167.5,696.49
  L3 w3.83: 850.22,1004.19 850.22,990.76 850.22,977.33 850.22,963.9 858.1,956.01 862.04,952.07 865.99,948.13
  L3 w7.92: 1167.5,696.49 1183.11,696.49 1198.73,696.49 1214.35,696.49 1229.97,696.49 1245.59,696.49 1261.21,696.49 1276.83,696.49
  L3 w9.96: v1@1375.33,748.14 v1(1375.77,748.14)
  L3 w10.99: 1365,737.81 v1@1375.33,748.14
  L3 w14.05: v1(706.29,1208.37) 706.29,1148.12 850.22,1004.19 ; 1276.83,696.49 1292.45,696.49 1308.07,696.49 1323.69,696.49 1334.02,706.82 1344.34,717.15 1354.67,727.48 1365,737.81
PD_EN_SRC1: R332.1 U303.16 | length 357.7
  L1 w14.05: v1(769.7,459.94) 771.56,461.79 U303.16@771.55,472.79 ; v1(1047.18,572.28) 1052.99,578.09 R332.1@1053,589.99
  L6 w8.94: v1(769.7,459.94) 778.09,468.32
  L6 w10.99: 778.09,468.32 788.25,478.49
  L6 w14.05: 788.25,478.49 800.44,490.68 965.58,490.68 v1(1047.18,572.28)
PD_EN_SRC2: R334.1 U306.16 | length 955.2
  L1 w14.05: v1(838.82,992.44) 838.82,1013.06 838.82,1102.22 903.7,1167.1 R334.1@903.71,1171.04 ; v1(1381.45,596.92) 1383.94,599.4 U306.16@1383.94,621.94
  L3 w3.5: 838.82,963.13 849.63,952.32 860.45,941.5 871.26,930.69 882.08,919.87 892.89,909.05 903.71,898.24 914.53,887.42 925.34,876.61 936.16,865.79 946.97,854.98 957.79,844.16 968.6,833.35 979.42,822.53 990.23,811.72 1001.05,800.9 1011.86,790.08 1022.68,779.27 1033.5,768.45 1044.31,757.64 1055.13,746.82 1065.94,736.01 1076.76,725.19 1087.57,714.38 1098.39,703.56 1109.2,692.74 1120.02,681.93 1130.84,671.11
  L3 w5.87: 838.82,963.13 838.82,977.78 ; 1254.23,671.11 1264.74,660.6 1275.26,650.09 1285.77,639.57 1296.28,629.06 1306.8,618.55 1317.31,608.03 1329.25,608.03 1341.18,608.03
  L3 w6.9: 838.82,977.78 v1(838.82,992.44) ; 1146.26,671.11 1161.68,671.11 1177.11,671.11 1192.53,671.11 ; 1238.81,671.11 1254.23,671.11
  L3 w7.92: 1192.53,671.11 1207.96,671.11 1223.38,671.11 1238.81,671.11
  L3 w9.96: 1341.18,608.03 1353.11,608.03
  L3 w14.05: 1130.84,671.11 1146.26,671.11 ; 1353.12,608.03 1364.23,596.92 v1@1381.45,596.92
PHY_CLKOUT: U501.25
PMIC_ON_REQ: J201.48 R131.1 | length 983.4
  L1 w9.96: v1(1241.36,3344.79) 1250.02,3336.13 1250.02,3321.2 1250.02,3306.27 1250.02,3291.34 J201.48@1250.01,3276.42
  L8 w3.5: 1198.18,2964.64 1188.03,2954.49 1177.88,2944.34 1167.72,2934.18 1167.72,2918.89 1167.72,2903.6 1167.72,2888.31 1167.72,2873.02 1167.72,2857.74 1178.13,2847.32 1188.54,2836.91 1198.96,2826.5 1209.37,2816.09 1219.78,2805.68 1230.19,2795.26
  L8 w3.83: 1230.19,2795.26 1243.53,2795.26
  L8 w4.85: 1243.53,2795.26 1256.88,2795.26 ; 1278.06,3170.35 1278.06,3185.65 1278.06,3200.96 ; 1278.06,3277.48 1278.06,3292.78 1278.06,3308.09 ; 1302.67,2715.39 1312.97,2705.09 1323.26,2694.8 1333.56,2684.5 1343.86,2674.2 1354.16,2663.9 1364.46,2653.6 1374.76,2643.3 1386.89,2643.3 R131.1@1382.95,2630.14
  L8 w5.87: 1228.9,3029.36 1238.73,3039.2 ; 1268.23,3068.69 1278.06,3078.52 1278.06,3093.82 1278.06,3109.13 1278.06,3124.43 1278.06,3139.74 1278.06,3155.04 1278.06,3170.35 ; 1278.06,3200.96 1278.06,3216.26 1278.06,3231.56 1278.06,3246.87 1278.06,3262.17 1278.06,3277.48
  L8 w7.92: 1238.73,3039.2 1248.57,3049.03
  L8 w8.94: 1248.57,3049.03 1258.4,3058.86 1268.23,3068.69
  L8 w9.96: 1198.18,2964.64 1208.18,2964.64 ; 1209.8,2965.58 1218.89,2974.67 1228.9,2984.68 1228.9,2999.58 1228.9,3014.47 1228.9,3029.36
  L8 w12.01: 1302.67,2745.78 1302.67,2760.97
  L8 w13.03: 1208.18,2964.64 1209.79,2965.58 ; 1302.67,2730.59 1302.67,2745.78
  L8 w14.05: v1(1241.36,3344.79) 1253.5,3332.65 1278.06,3308.09 ; 1256.88,2795.26 1270.22,2795.26 1283.57,2795.26 1302.67,2776.16 1302.67,2760.97 ; 1302.67,2715.39 1302.67,2730.59